# Altium PCB EgSA-Cube3.PcbDoc (part 1 of 2) (continued)
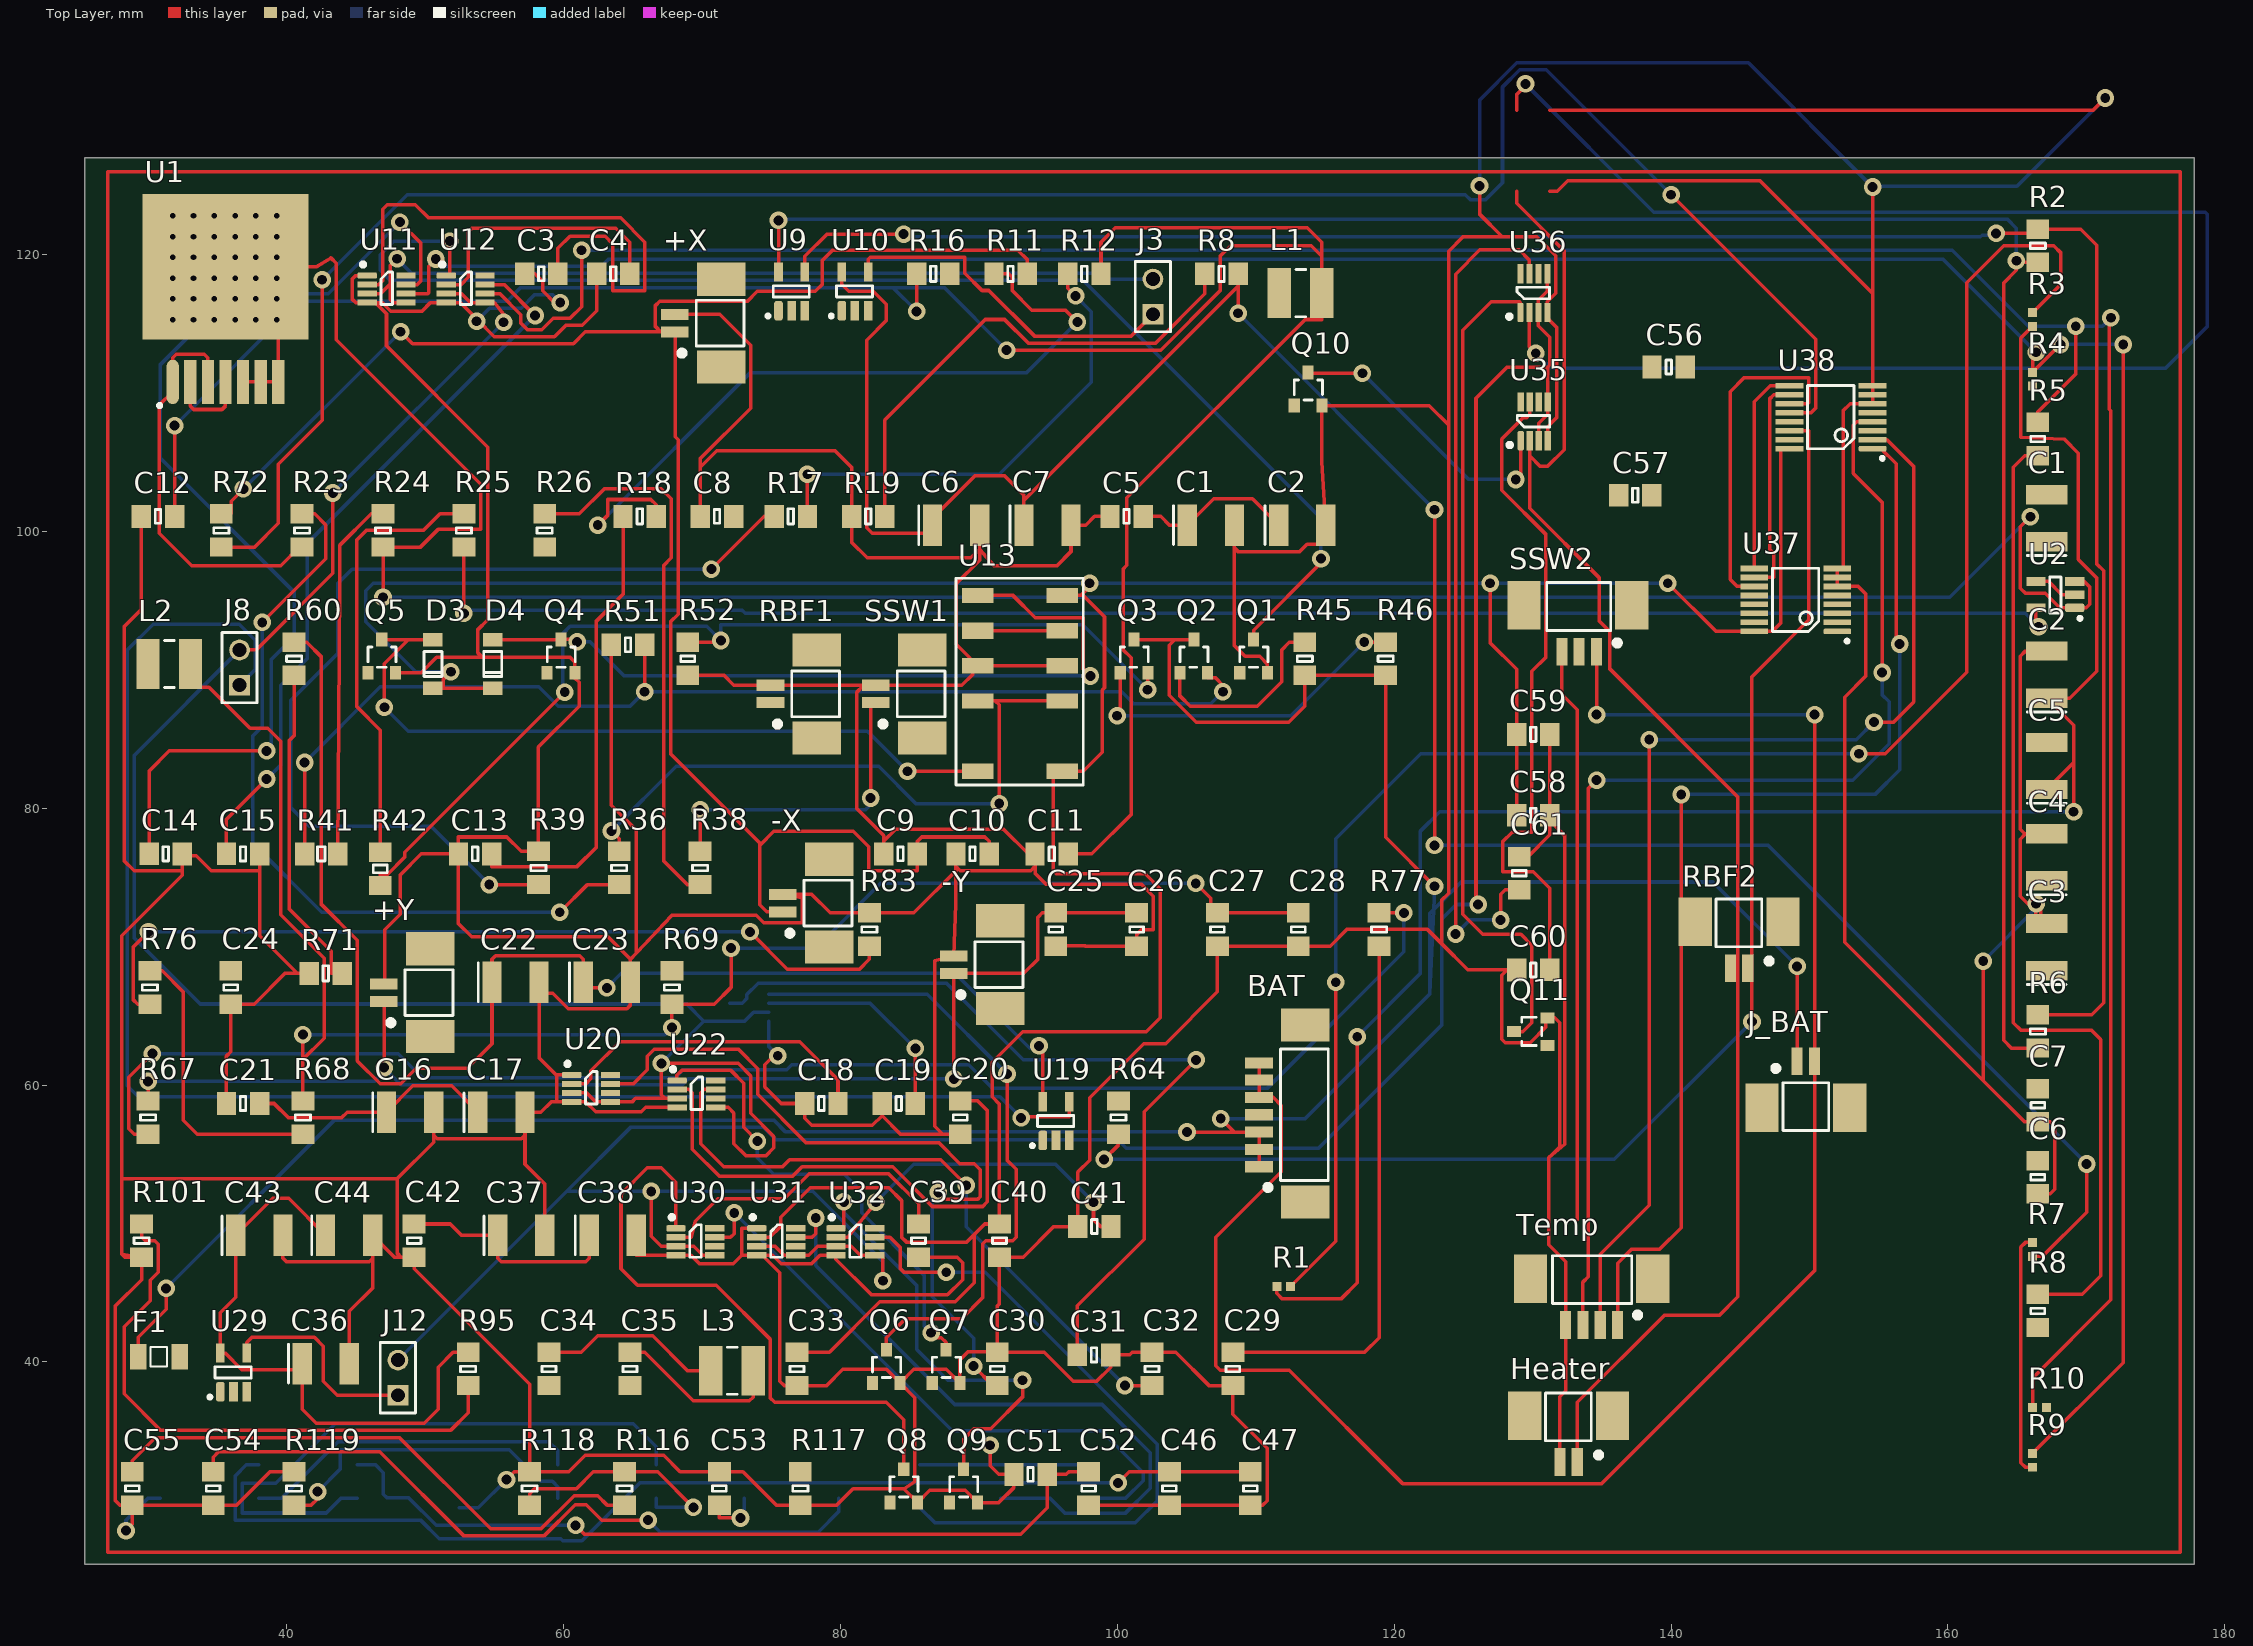
[diagram p0: Top Layer view]
## Components (designator, comment, footprint, x,y, rotation, side; value= is the part's Value field where it differs from the comment) (continued)
R107 "CRCW080512K4FKEAHP" CRCW080512K4FKEAHP 66.675,31.369 r90 bottom value=12.4K
R108 "CRCW08051M00FKEAHP" CRCW08051M00FKEAHP 37.973,31.369 r90 bottom value=1M
R111 "CRCW0805510KFKEAHP" CRCW0805510KFKEAHP 73.025,31.369 r90 bottom value=510K
R112 "ERJ-P06F7872V" ERJ-P06F7872V 79.883,31.369 r90 bottom value=78.7K
R113 "CRCW08059K09FKEAHP" CRCW08059K09FKEAHP 59.563,31.369 r90 bottom value=9.09K
R116 "ERJ-P06F1601V" ERJ-P06F1601V 64.389,30.861 r90 top value=1.6K
R117 "ERJ-P06F1053V" ERJ-P06F1053V 77.089,30.861 r90 top value=105K
R118 "CRCW0805100KFKEAHP" CRCW0805100KFKEAHP 57.531,30.861 r90 top value=100K
R119 "CRCW0805100KFKEAHP" CRCW0805100KFKEAHP 40.513,30.861 r90 top value=100K
RBF1 "53261-0271" 53261-0271 74.93,87.63 r90 top
RBF2 "53261-0271" 53261-0271 145.542,68.453 r180 top
SSW1 "53261-0271" 53261-0271 82.55,87.63 r90 top
SSW2 "53261-0371" 53261-0371 134.62,91.313 r180 top
Temp "53261-0471" 53261-0471 136.144,42.672 r180 top
U1 "LMZ22005" LMZ22005TZX/NOPB 31.75,110.806 r0 top
U2 "LT6106" LT6106HS5#TRPBF 169.164,94.488 r90 top
U9 "LT6106" LT6106HS5#TRPBF 75.516,115.951 r0 top
U10 "LT6106" LT6106HS5#TRPBF 80.088,115.951 r0 top
U11 "LTC4361" LTC4361HTS8-2 45.798,118.491 r0 top
U12 "LTC4361" LTC4361HTS8-2 51.513,118.491 r0 top
U13 "G6SK-2G DC5" "G6SK-2G DC5" 96.012,82.677 r90 top
U19 "LT6106" LT6106HS5#TRPBF 94.615,56.007 r0 top
U20 "LTC4361" LTC4361HTS8-2 60.573,60.736 r0 top
U21 "LTC4361" LTC4361HTS8-2 74.803,66.578 r180 bottom
U22 "LTC4361" LTC4361HTS8-2 68.193,60.34 r0 top
U29 "LT6106" LT6106HS5#TRPBF 35.19,37.846 r0 top
U30 "LTC4361" LTC4361HTS8-2 68.11,49.657 r0 top
U31 "LTC4361" LTC4361HTS8-2 73.952,49.657 r0 top
U32 "LTC4361" LTC4361HTS8-2 79.667,49.657 r0 top
U35 "LTC4361" LTC4361HTS8-2 129.144,106.553 r90 top
U36 "LTC4361" LTC4361HTS8-2 129.114,115.824 r90 top
U37 "CD74HC4051QPWRQ1" CD74HC4051QPWRQ1 152.019,92.777 r90 top
U38 "CD74HC4051QPWRQ1" CD74HC4051QPWRQ1 154.559,105.985 r90 top

## Footprints (in the part's own frame and the unit in brackets; to place one, negate y for a bottom-side part, rotate by r counter-clockwise, add the part's x,y. Pads: shape width x height; smd on the part's side, far side on the other; paste and mask are expansions set on the pad)
0805YC474KAT2A [mm]
  rect 1.4x1.65 smd: 1(-1.2,0) 2(1.2,0)
  silkscreen extent -0.2,-0.5 0.2,0.5, body extent -1.03,-0.62 0.98,0.62, height 1.45
1206L500/12SLPR [mm]
  rect 1.2x1.85 smd: 1(-1.5,0) 2(1.5,0)
  silkscreen extent -0.6,-0.7 0.6,0.7, body extent -1.7,-0.85 1.7,0.85, height 0.8
53261-0271 [mm]
  rect 0.8x2 smd: 1(0,0) 2(1.26,0)
  rect 2.4x3.5 smd: GND(-2.54,-3.35) GND(3.8,-3.35)
  silkscreen extent -1.74,-5 2.29,-0.31, body extent -3.23,-5.1 4.43,0.1
53261-0371 [mm]
  rect 0.8x2 smd: 1(0,0) 2(1.26,0) 3(2.51,0)
  rect 2.4x3.5 smd: GND(-2.54,-3.35) GND(5.25,-3.35)
  silkscreen extent -1.69,-5 3.6,-0.44, body extent -3.2,-5.15 5.7,0.05, height 3.6
53261-0471 [mm]
  rect 0.8x2 smd: 1(0,0) 2(1.26,0) 3(2.51,0) 4(3.76,0)
  rect 2.4x3.5 smd: GND(-2.54,-3.35) GND(6.3,-3.35)
  silkscreen extent -1.64,-5 4.7,-0.51, body extent -3.27,-5.07 6.88,0.13, height 3.6
53261-0771 [mm]
  rect 0.8x2 smd: 1(0,0) 2(1.26,0) 3(2.51,0) 4(3.76,0) 5(5.01,0) 6(6.26,0) 7(7.51,0)
  rect 2.4x3.5 smd: GND(-2.54,-3.35) GND(10.25,-3.35)
  silkscreen extent -1.69,-5 8.5,-0.44, body extent -3.19,-4.98 10.71,0.22, height 3.6
C0805C104J4RACTU [mm]
  rect 1.4x1.65 smd: 1(-1.2,0) 2(1.2,0)
  silkscreen extent -0.2,-0.51 0.2,0.51, body extent -1,-0.62 1,0.63, height 1
C0805C472K4RAC7800 [mm]
  rect 1.4x1.65 smd: 1(-1.2,0) 2(1.2,0)
  silkscreen extent -0.2,-0.5 0.2,0.5, body extent -1.03,-0.62 0.98,0.62, height 1.45
C2012X5R1A476M125AC [mm]
  rect 1.4x1.65 smd: 1(-1.2,0) 2(1.2,0)
  silkscreen extent -0.2,-0.5 0.2,0.5, body extent -1.03,-0.62 0.98,0.62, height 1.45
C2012X5R1C226M125AC [mm]
  rect 1.4x1.65 smd: 1(-1.2,0) 2(1.2,0)
  silkscreen extent -0.2,-0.5 0.2,0.5, body extent -1.03,-0.62 0.98,0.62, height 1.45
CD74HC4051QPWRQ1 [mm]
  rrect50% 0.4x2 smd: 1(0,0)
  rect 0.4x2 smd: 2(0.65,0) 3(1.3,0) 4(1.95,0) 5(2.6,0) 6(3.25,0) 7(3.9,0) 8(4.55,0) 9(4.55,6) 10(3.9,6) 11(3.25,6) 12(2.6,6) 13(1.95,6) 14(1.3,6) 15(0.65,6) 16(0,6)
  silkscreen extent -0.82,-0.83 4.57,4.7, body extent -0.21,-0.2 4.79,6.2, height 1.1
CGA4J1X7R1V475K125AC [mm]
  rect 1.4x1.65 smd: 1(-1.2,0) 2(1.2,0)
  silkscreen extent -0.2,-0.5 0.2,0.5, body extent -1.03,-0.62 0.98,0.62, height 1.45
CL21B105KAFVPNE [mm]
  rect 1.4x1.65 smd: 1(-1.2,0) 2(1.2,0)
  silkscreen extent -0.2,-0.5 0.2,0.5, body extent -1.03,-0.62 0.98,0.62, height 1.45
CL21B106KOQNNNE [mm]
  rect 1.4x1.64 smd: 1(-1.2,0)
  rect 1.4x1.65 smd: 2(1.2,0)
  silkscreen extent -0.2,-0.51 0.2,0.51, body extent -1,-0.62 1,0.63, height 1
"CMPT404A TR" [mm]
  rect 0.8x1 smd: 1(0,0) 2(2,0) 3(1,2.4)
  silkscreen extent 0,0.4 2.03,1.86, body extent -0.51,-0.36 2.49,2.64, height 1.3
CRCW08051M00FKEAHP [mm]
  rect 1.4x1.65 smd: 1(-1.2,0) 2(1.2,0)
  silkscreen extent -0.2,-0.55 0.2,0.55, body extent -1.13,-0.67 1.17,0.68, height 0.76
CRCW08052K00FKEAHP [mm]
  rect 1.4x1.65 smd: 1(-1.2,0) 2(1.2,0)
  silkscreen extent -0.2,-0.55 0.2,0.55, body extent -1.13,-0.67 1.17,0.68, height 0.76
CRCW08055K62FKEAHP [mm]
  rect 1.4x1.65 smd: 1(-1.2,0) 2(1.2,0)
  silkscreen extent -0.2,-0.55 0.2,0.55, body extent -1.13,-0.67 1.17,0.68, height 0.76
CRCW08059K09FKEAHP [mm]
  rect 1.4x1.65 smd: 1(-1.2,0) 2(1.2,0)
  silkscreen extent -0.2,-0.55 0.2,0.55, body extent -1.13,-0.67 1.17,0.68, height 0.76
CRCW080512K4FKEAHP [mm]
  rect 1.4x1.65 smd: 1(-1.2,0) 2(1.2,0)
  silkscreen extent -0.2,-0.55 0.2,0.55, body extent -1.13,-0.67 1.17,0.68, height 0.76
CRCW080520K0FKEAHP [mm]
  rect 1.4x1.65 smd: 1(-1.2,0) 2(1.2,0)
  silkscreen extent -0.2,-0.55 0.2,0.55, body extent -1.13,-0.67 1.17,0.68, height 0.76
CRCW0805100KFKEAHP [mm]
  rect 1.4x1.65 smd: 1(-1.2,0) 2(1.2,0)
  silkscreen extent -0.2,-0.55 0.2,0.55, body extent -1.13,-0.67 1.17,0.68, height 0.76
CRCW0805470KFKEAHP [mm]
  rect 1.4x1.65 smd: 1(-1.2,0) 2(1.2,0)
  silkscreen extent -0.2,-0.55 0.2,0.55, body extent -1.13,-0.67 1.17,0.68, height 0.76
CRCW0805510KFKEAHP [mm]
  rect 1.4x1.65 smd: 1(-1.2,0) 2(1.2,0)
  silkscreen extent -0.2,-0.55 0.2,0.55, body extent -1.13,-0.67 1.17,0.68, height 0.76
CRCW08050000Z0EAHP [mm]
  rect 1.4x1.65 smd: 1(-1.2,0) 2(1.2,0)
  silkscreen extent -0.2,-0.55 0.2,0.55, body extent -1.13,-0.67 1.17,0.68, height 0.76
ERJ-P06F1002V [mm]
  rect 1.4x1.65 smd: 1(-1.2,0) 2(1.2,0)
  silkscreen extent -0.2,-0.51 0.2,0.51, body extent -1.02,-0.62 0.98,0.63, height 0.45
ERJ-P06F1053V [mm]
  rect 1.4x1.65 smd: 1(-1.2,0) 2(1.2,0)
  silkscreen extent -0.2,-0.55 0.2,0.55, body extent -1.13,-0.67 1.17,0.68, height 0.76
ERJ-P06F1071V [mm]
  rect 1.4x1.65 smd: 1(-1.2,0) 2(1.2,0)
  silkscreen extent -0.2,-0.55 0.2,0.55, body extent -1.13,-0.67 1.17,0.68, height 0.76
ERJ-P06F1601V [mm]
  rect 1.4x1.65 smd: 1(-1.2,0) 2(1.2,0)
  silkscreen extent -0.2,-0.55 0.2,0.55, body extent -1.13,-0.67 1.17,0.68, height 0.76
ERJ-P06F1913V [mm]
  rect 1.4x1.65 smd: 1(-1.2,0) 2(1.2,0)
  silkscreen extent -0.2,-0.55 0.2,0.55, body extent -1.13,-0.67 1.17,0.68, height 0.76
ERJ-P06F3401V [mm]
  rect 1.4x1.65 smd: 1(-1.2,0) 2(1.2,0)
  silkscreen extent -0.2,-0.55 0.2,0.55, body extent -1.13,-0.67 1.17,0.68, height 0.76
ERJ-P06F7872V [mm]
  rect 1.4x1.65 smd: 1(-1.2,0) 2(1.2,0)
  silkscreen extent -0.2,-0.55 0.2,0.55, body extent -1.13,-0.67 1.17,0.68, height 0.76
ERJ-P6WF2702V [mm]
  rect 1.4x1.65 smd: 1(-1.2,0) 2(1.2,0)
  silkscreen extent -0.2,-0.51 0.2,0.51, body extent -1,-0.62 1,0.63, height 0.45
ESW-102-13-L-S [mm]
  rect 1.5x1.5 hole 1: 1(0,0)
  round 1.5 hole 1: 2(2.54,0)
  silkscreen extent -1.27,-1.27 3.81,1.27, body extent -1.27,-1.27 3.81,1.27, height 9.5
"G6SK-2G DC5" [mm]
  rect 1.1x2.3 smd: 1(0,0) 2(5.08,0) 3(7.62,0) 4(10.16,0) 5(12.7,0) 6(12.7,6.1) 8(7.62,6.1) 9(5.08,6.1) 10(0,6.1)
  rect 1.2x2.3 smd: 7(10.16,6.1)
  silkscreen extent -1,-1.53 13.95,7.68, body extent -1.14,-0.76 14.1,6.73, height 0.94
HCJ0805ZT0R00 [mm]
  rect 1.4x1.65 smd paste+0: 1(0,0) 2(2.4,0)
  silkscreen extent 0.93,-0.51 1.48,0.51, body extent 0.19,-0.62 2.19,0.63, height 0.45
LMZ22005TZX/NOPB [mm]
  oval 0.89x3.2 smd paste+0: 1(0,0)
  rect 0.89x3.2 smd paste+0 mask+0.102: 2(1.27,0) 3(2.54,0) 4(3.81,0) 5(5.08,0) 6(6.35,0) 7(7.62,0)
  rect 12x10.54 smd mask+0.102: 8(3.81,8.32)
  silkscreen extent -1,-1.77 -0.89,-1.66, body extent -1.46,0.59 8.96,12.56, height 5.18
LT6106HS5#TRPBF [mm]
  rrect50% 0.62x1.4 smd: 1(0,0)
  rect 0.62x1.4 smd: 2(0.95,0) 3(1.9,0) 4(1.9,2.8) 5(0,2.8)
  silkscreen extent -0.88,-0.51 2.22,1.8, body extent -0.51,-0.2 2.39,2.99, height 0.94
LTC4361HTS8-2 [mm]
  rrect50% 1.4x0.45 smd: 1(0,0)
  rect 1.4x0.45 smd: 2(0,-0.65) 3(0,-1.3) 4(0,-1.95) 5(2.8,-1.95) 6(2.8,-1.3) 7(2.8,-0.65) 8(2.8,0)
  silkscreen extent -0.4,-2.1 1.83,0.9, body extent 0,-2.45 2.8,0.45, height 1
MMSD459A [mm]
  rect 1x1.4 smd: 1(-1.75,0) 2(1.75,0)
  silkscreen extent -0.9,-0.65 0.9,0.65, body extent -1.85,-0.8 1.85,0.8, height 1.25
RESC1005X40X25ML05T05 [mm] "Chip Resistor, 2-Leads, Body 1.05x0.55mm, IPC Low Density"
  rect 0.65x0.65 smd: 1(-0.5,0) 2(0.5,0)
  body extent -0.53,-0.28 0.53,0.28, height 0.4
RK73H2ATTD2263F [mm]
  rect 1.4x1.65 smd: 1(-1.2,0) 2(1.2,0)
  silkscreen extent -0.2,-0.55 0.2,0.55, body extent -1.13,-0.67 1.17,0.68, height 0.76
RT0805BRD071M17L [mm]
  rect 1.4x1.65 smd: 1(-1.2,0) 2(1.2,0)
  silkscreen extent -0.2,-0.55 0.2,0.55, body extent -1.13,-0.67 1.17,0.68, height 0.76
SMMBT3904LT3G [mm]
  rect 0.8x1 smd: 1(0,0) 2(2,0) 3(1,2.4)
  silkscreen extent 0,0.4 2.03,1.86, body extent -0.51,-0.36 2.49,2.64, height 1.3
T520B107M006ATE018 [mm]
  rect 1.4x3 smd: 1(-1.7,0) 2(1.7,0)
  silkscreen extent -2.7,-1.4 -2.7,1.4, body extent -1.82,-1.14 1.58,1.14, height 1.6
T591B476M010ATE070 [mm]
  rect 1.4x3 smd: 1(-1.7,0) 2(1.7,0)
  silkscreen extent -2.7,-1.4 -2.7,1.4, body extent -1.82,-1.14 1.58,1.14, height 1.6
VJ0805Y222KXACW1BC [mm]
  rect 1.4x1.65 smd: 1(-1.2,0) 2(1.2,0)
  silkscreen extent -0.2,-0.5 0.2,0.5, body extent -1.03,-0.62 0.98,0.62, height 1.45
VJ0805Y681JXXCW1BC [mm]
  rect 1.4x1.65 smd: 1(-1.2,0) 2(1.2,0)
  silkscreen extent -0.2,-0.5 0.2,0.5, body extent -1.03,-0.62 0.98,0.62, height 1.45
XEL4020-152MEB [mm]
  rect 1.68x3.6 smd: 1(-1.535,0) 2(1.535,0)
  silkscreen extent -0.34,-1.7 0.36,1.7, body extent -2.11,-1.97 2.19,2.33
XEL4030-332MEC [mm]
  rect 1.68x3.6 smd: 1(-1.535,0) 2(1.535,0)
  silkscreen extent -0.33,-1.7 0.36,1.7, body extent -2.11,-2.2 2.19,2.1, height 3.5

## Part data
+X +Y +Z -X -Y Heater J_BAT RBF1 RBF2 SSW1: "CONN HEADER SMD R/A 2POS 1.25MM", Current Rating=-, Insulation Color=Natural, Manufacturer="Molex, LLC", Manufacturer Part Number=0532610271, Material Flammability Rating="UL94 V-0", Supplier Part Number 1=WM7620CT-ND, Applications="Automotive, General Purpose, Industrial, Medical", Category="Connectors, Interconnects", ComponentLink1Description=http://www.molex.com/pdm_docs/sd/532610271_sd.pdf, ComponentLink1URL=http://www.molex.com/pdm_docs/sd/532610271_sd.pdf, Connector Type=Header, Contact Finish - Mating=Tin, Contact Finish - Post=Tin, Contact Finish Thickness - Mating="39µin (1.00µm)", Contact Finish Thickness - Post=-, Contact Length - Mating=-, Contact Length - Post=-, Contact Material="Phosphor Bronze", Contact Shape=Rectangular, Contact Type="Male Blade", Fastening Type="Detent Lock", Features="Solder Retention", Ingress Protection=-, Insulation Height="0.134\" (3.40mm)", Insulation Material="Polyamide (PA46), Nylon 4/6", Mated Stacking Heights=3.4mm, Mounting Type="Surface Mount, Right Angle", Number of Positions=2, Number of Positions Loaded=All, Number of Rows=1, Operating Temperature=-, Overall Contact Length=-, Packaging="Cut Tape (CT)", Part Status=Active, Pitch - Mating="0.049\" (1.25mm)", Pricing 1="1=0.93, 10=0.819, 100=0.7066, 500=0.57816 (USD)", RoHS="RoHS Compliant", Row Spacing - Mating=-, Shrouding="Shrouded - 4 Wall", Stock 1=17574, Style="Board to Cable/Wire", Supplier 1=Digi-Key, Termination=Solder, Voltage Rating=-
BAT: "CONN HEADER SMD R/A 7POS 1.25MM", Color=Natural, Contact Resistance=20mR, Current Rating=1A, Flammability Rating="UL94 V-0", Insulation Resistance=100MR, Manufacturer=Molex, Max Operating Temperature=85°C, Min Operating Temperature=-40°C, Supplier Part Number 1=WM7625CT-ND, Voltage Rating=125V, Body Plating=Tin, ComponentLink1Description=http://www.molex.com/pdm_docs/sd/532610771_sd.pdf?src-supplier=Digi-Key, ComponentLink1URL=http://www.molex.com/pdm_docs/sd/532610771_sd.pdf?src-supplier=Digi-Key, ComponentLink2Description=https://www.molex.com/pdm_docs/sd/532610771_sd.pdf?src-supplier=Digi-Key, ComponentLink2URL=https://www.molex.com/pdm_docs/sd/532610771_sd.pdf?src-supplier=Digi-Key, ComponentLink3Description=http://uk.rs-online.com/webdocs/13c4/0900766b813c44c2.pdf?src-supplier=RSComponents, ComponentLink3URL=http://uk.rs-online.com/webdocs/13c4/0900766b813c44c2.pdf?src-supplier=RSComponents, ComponentLink4Description=http://www.farnell.com/datasheets/1867373.pdf?src-supplier=Element14, ComponentLink4URL=http://www.farnell.com/datasheets/1867373.pdf?src-supplier=Element14, ComponentLink5Description=http://www.jameco.com/Jameco/Products/ProdDS/1932571.pdf?src-supplier=Jameco, ComponentLink5URL=http://www.jameco.com/Jameco/Products/ProdDS/1932571.pdf?src-supplier=Jameco, ComponentLink6Description=http://www.farnell.com/cad/1768013.pdf?src-supplier=Farnell, ComponentLink6URL=http://www.farnell.com/cad/1768013.pdf?src-supplier=Farnell, ComponentLink7Description=http://www.molex.com/webdocs/datasheets/pdf/en-us/0532610771_PCB_HEADERS.pdf?src-supplier=Avnet, ComponentLink7URL=http://www.molex.com/webdocs/datasheets/pdf/en-us/0532610771_PCB_HEADERS.pdf?src-supplier=Avnet, ComponentLink8Description=http://www.farnell.com/datasheets/1801021.pdf?src-supplier=Element14, ComponentLink8URL=http://www.farnell.com/datasheets/1801021.pdf?src-supplier=Element14, Connector Type="Blade Pin", Contact Gender=Male, Contact Material=Bronze,Tin,Brass, Contact Plating=Tin, Contact Type="Blade Pin", Depth=5.2mm, Housing Color=Natural, Housing Material=Nylon, Lead Pitch=1.25mm, Length=13.9mm, Manufacturer Part Number=53261-0771, Mount="Surface Mount", Number of Contacts=7, Number of Positions=7, Number of Rows=1, Orientation="Right Angle", Packaging="Tape and Reel", Pitch=1.25mm, Pricing 1="1=0.79, 10=0.668, 100=0.5198 (USD)", Radiation Hardening=No, REACH SVHC=Unknown, RoHS Compliant=Yes, Series=PicoBlade, Stock 1=18897, Supplier 1=Digi-Key, Termination=Solder, Voltage Rating (AC)=125V, Working Voltage=125V
C1 C2 C3 C4 C5 C6 C7 C22 C23 C36 C43 C44: "CAP TANT POLY 100UF 6.3V 1411", Capacitance=100uF, Case Code (Imperial)=1411, Case Code (Metric)=3528, Dielectric Material=Tantalum, ESR (Equivalent Series Resistance)=18mR, Manufacturer=KEMET, Max Operating Temperature=105°C, Min Operating Temperature=-55°C, Package Quantity=1, Resistance=0.018R, Supplier Part Number 1=399-5308-1-ND, Tolerance=20%, Voltage Rating=6.3V, Case/Package=1411, ComponentLink1Description=https://search.kemet.com/component-edge/download/datasheet/T520B107M006ATE018.pdf?src-supplier=Digi-Key, ComponentLink1URL=https://search.kemet.com/component-edge/download/datasheet/T520B107M006ATE018.pdf?src-supplier=Digi-Key, ComponentLink2Description=http://www.farnell.com/datasheets/1759375.pdf?src-supplier=Element14, ComponentLink2URL=http://www.farnell.com/datasheets/1759375.pdf?src-supplier=Element14, ComponentLink3Description=https://content.kemet.com/datasheets/KEM_T2076_T52X-530.pdf?src-supplier=Digi-Key, ComponentLink3URL=https://content.kemet.com/datasheets/KEM_T2076_T52X-530.pdf?src-supplier=Digi-Key, Construction=Flat, Depth=2.8mm, Dissipation Factor=8%, Features="General Purpose", Height=2.1mm, Height - Seated (Max)=0.083inch, Length=3.5mm, Life (Hours)=2000Hour, Manufacturer Part Number=T520B107M006ATE018, Mount="Surface Mount", Number of Pins=2, Packaging="Tape and Reel", Polarity=Polar, Pricing 1="1=1.19, 10=0.939, 50=0.8136, 100=0.704, 500=0.5319, 1000=0.4694 (USD)", Radiation Hardening=No, REACH SVHC="No SVHC", RoHS Compliant=Yes, Series="KO-CAP T520", Stock 1=11293, Supplier 1=Digi-Key, Termination=SMD/SMT, Voltage Rating (DC)=6.3V, Width=0.11inch
C1 C2 C16 C17 C37 C38: "CAP TANT POLY 47UF 10V 1411", Capacitance=47uF, Case Code (Imperial)=1311, Case Code (Metric)=3528, Case/Package=1411, Dielectric Material=Tantalum, ESR (Equivalent Series Resistance)=70mR, Leakage Current=47uA, Manufacturer=KEMET, Max Operating Temperature=125°C, Min Operating Temperature=-55°C, Package Quantity=2000, Ripple Current=1.347A, Supplier Part Number 1=399-11675-1-ND, Tolerance=20%, Voltage=10V, ComponentLink1Description=https://www.distrelec.biz/Web/Downloads/_t/ds/T591-series_eng_tds.pdf?mime=application%2Fpdf&src-supplier=Distrelec, ComponentLink1URL=https://www.distrelec.biz/Web/Downloads/_t/ds/T591-series_eng_tds.pdf?mime=application%2Fpdf&src-supplier=Distrelec, ComponentLink2Description=http://www.alliedelec.com/images/products/datasheets/bm/KEMET/70428362.pdf?src-supplier=Allied+Electronics, ComponentLink2URL=http://www.alliedelec.com/images/products/datasheets/bm/KEMET/70428362.pdf?src-supplier=Allied+Electronics, Depth=2.8mm, Dissipation Factor=8%, Features="General Purpose", Height=1.9mm, Height - Seated (Max)=0.079inch, Lead Diameter=0.2mm, Lead Pitch=1.1mm, Length=3.5mm, Life (Hours)=2000Hour, Manufacturer Part Number=T591B476M010ATE070, Mount="Surface Mount", Packaging="Tape and Reel", Pricing 1="1=1.21, 10=0.957, 50=0.8294, 100=0.7178, 500=0.5423, 1000=0.4785 (USD)", Radiation Hardening=No, REACH SVHC="No SVHC", Stock 1=11764, Supplier 1=Digi-Key, Termination=SMD/SMT, Voltage Rating=10V, Voltage Rating (DC)=10V, Weight=0.002293oz, Width=0.11inch
C3 C4 C6 C14 C15 C18 C19 C20 C30 C31 C32 C39 C40 C41 C48 C49 C50 C56 C57 C60 C61: "CAP CER 10UF 16V X7R 0805", Manufacturer="Samsung Electro-Mechanics", Operating Temperature="-55°C ~ 125°C", Package / Case="0805 (2012 Metric)", Ratings=-, Supplier Part Number 1=1276-2872-1-ND, Temperature Coefficient=X7R, Tolerance=±10%, Voltage - Rated=16V, Applications="General Purpose", Category=Capacitors, ComponentLink1Description=http://www.samsungsem.com/kr/support/product-search/mlcc/CL21B106KOQNNNE.jsp, ComponentLink1URL=http://www.samsungsem.com/kr/support/product-search/mlcc/CL21B106KOQNNNE.jsp, Features=-, Height - Seated (Max)=-, Lead Spacing=-, Lead Style=-, Manufacturer Part Number=CL21B106KOQNNNE, Mounting Type="Surface Mount, MLCC", Notification="Current market demand for these product types have resulted in fluctuating and extending lead times. Lead times may differ.", Packaging="Cut Tape (CT)", Part Status=Active, Pricing 1="1=0.34, 10=0.232, 100=0.1313, 500=0.0927, 1000=0.08111 (USD)", RoHS="RoHS Compliant", Size / Dimension="0.079\" L x 0.049\" W (2.00mm x 1.25mm)", Stock 1=25, Supplier 1=Digi-Key, Thickness (Max)="0.055\" (1.40mm)"
C5 C21 C42 C52: "CAP CER 1UF 25V X7R 0805", Capacitance=1uF, Case Code (Imperial)=0805, Case Code (Metric)=2012, Dielectric=X7R, Manufacturer=Samsung, Max Operating Temperature=125°C, Min Operating Temperature=-55°C, Ratings=AEC-Q200, Supplier Part Number 1=1276-6822-1-ND, Tolerance=10%, Voltage Rating=25V, Case/Package=0805, ComponentLink1Description=http://www.samsungsem.com/kr/support/library/product-catalog/mlcc.jsp?src-supplier=Digi-Key, ComponentLink1URL=http://www.samsungsem.com/kr/support/library/product-catalog/mlcc.jsp?src-supplier=Digi-Key, ComponentLink2Description=http://www.samsungsem.com/kr/support/product-search/mlcc/CL21B105KAFVPNE.jsp?src-supplier=Digi-Key, ComponentLink2URL=http://www.samsungsem.com/kr/support/product-search/mlcc/CL21B105KAFVPNE.jsp?src-supplier=Digi-Key, ComponentLink3Description=http://www.samsungsem.com/servlet/FileDownload?type=spec&file=CL21B105KAFVPNE.pdf&src-supplier=Avnet, ComponentLink3URL=http://www.samsungsem.com/servlet/FileDownload?type=spec&file=CL21B105KAFVPNE.pdf&src-supplier=Avnet, ComponentLink4Description=http://components.arrow.com/part/dataview/0323_06933351?src-supplier=Arrow+Europe, ComponentLink4URL=http://components.arrow.com/part/dataview/0323_06933351?src-supplier=Arrow+Europe, Depth=1.25mm, Features="Soft Termination", Length=0.079inch, Manufacturer Part Number=CL21B105KAFVPNE, Mount="Surface Mount", Packaging="Tape and Reel", Pricing 1="1=0.18, 10=0.124, 50=0.0742, 100=0.0627, 500=0.0429, 1000=0.038 (USD)", RoHS Compliant=Yes, Stock 1=27657, Supplier 1=Digi-Key, Thickness=0.053inch, Width=0.049inch